# KiCad board FlightComputer.kicad_pcb (continued)
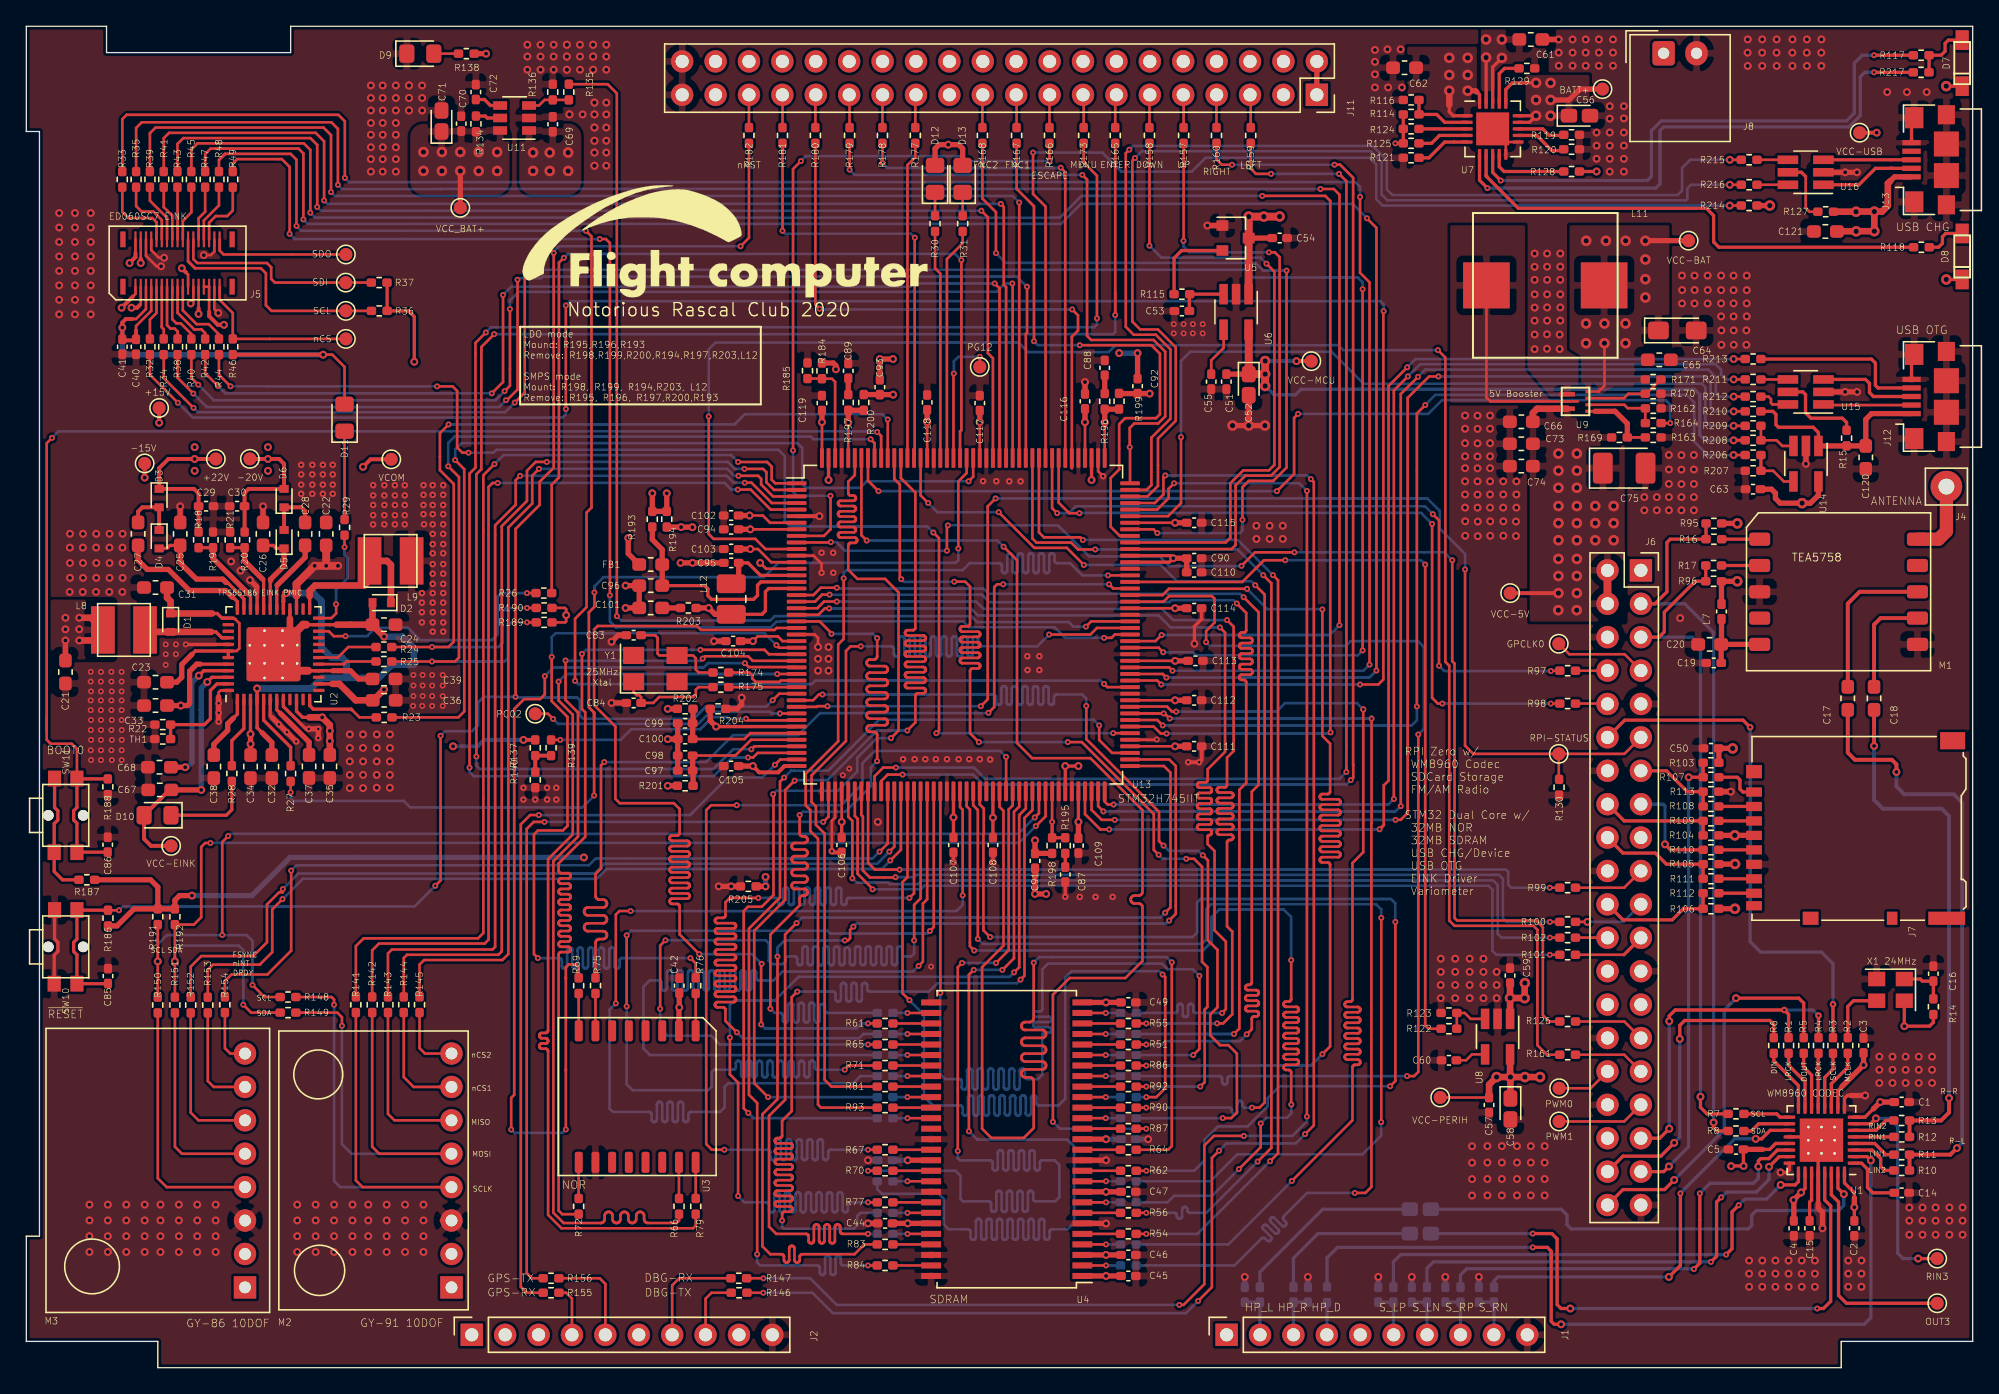
[diagram p0: board, top side]
## Routing (per net, layer and track width the routed paths; a pad name or vN(x,y) marks a point on that pad's centre or on a via; arc(x,y) is an arc through that point) (continued)
/Memory/NOR_DQ1: length 75
  Top w0.2: v1(39.42,52.58) 39.42,51.2 39.06,50.84 37.85,50.84 37.1,50.09 37.1,20.75 36.87,20.52 v1(36.87,18.11) ; v1(41.02,18.11) 41.02,22.67 ; 41.02,22.67 41.02,29.58 ; 41.02,22.67 41.02,22.55 ; U13.29 58.55,53.28 54.93,53.28 v1(54.64,53.57) ; R69.2 42,30.47 41.8,30.67 41.24,30.67 41.02,30.45 41.02,29.58 ; 41.02,29.58 41.02,29.72
  Bottom w0.2: v1(41.02,18.11) 40.76,17.85 37.13,17.85 v1(36.87,18.11) ; 42.25,53.25 42.15,53.25 ; 42.25,53.25 40.09,53.25 v1(39.42,52.58) ; 42.25,53.25 51.51,53.25 51.83,53.57 v1(54.64,53.57)
/Memory/NOR_DQ2: length 75
  Top w0.2: 57.01,54.25 U13.27 56.47,54.25 56.13,54.59 v1(51.26,54.59) ; v1(42.25,54.27) 42.25,50.09 42.5,49.84 42.5,40.37 40.48,38.34 40.48,37.81 40.48,37.76 40.49,37.72 40.52,37.68 40.55,37.65 40.59,37.62 40.63,37.61 40.67,37.61 41.19,37.61 41.24,37.6 41.28,37.59 41.32,37.56 41.35,37.53 41.37,37.49 41.39,37.45 41.39,37.41 41.39,37.36 41.37,37.32 41.35,37.28 41.32,37.25 41.28,37.22 41.24,37.21 41.19,37.2 40.67,37.2 40.63,37.2 40.59,37.19 40.55,37.16 40.52,37.13 40.49,37.09 40.48,37.05 40.48,37 40.48,36.96 40.49,36.92 40.52,36.88 40.55,36.85 40.59,36.82 40.63,36.81 40.67,36.81 41.19,36.81 41.24,36.8 41.28,36.79 41.32,36.76 41.35,36.73 41.37,36.69 41.39,36.65 41.39,36.61 41.39,36.56 41.37,36.52 41.35,36.48 41.32,36.45 41.28,36.42 41.24,36.41 41.19,36.41 40.67,36.41 40.63,36.4 40.59,36.39 40.55,36.36 40.52,36.33 40.49,36.29 40.48,36.25 40.48,36.2 40.48,36.16 40.49,36.12 40.52,36.08 40.55,36.05 40.59,36.02 40.63,36.01 40.67,36 41.19,36 41.24,36 41.28,35.99 41.32,35.96 41.35,35.93 41.37,35.89 41.39,35.85 41.39,35.81 41.39,35.76 41.37,35.72 41.35,35.68 41.32,35.65 41.28,35.62 41.24,35.61 41.19,35.61 40.67,35.61 40.63,35.6 40.59,35.59 40.55,35.56 40.52,35.53 40.49,35.49 40.48,35.45 40.48,35.41 40.48,35.36 40.49,35.32 40.52,35.28 40.55,35.25 40.59,35.22 40.63,35.21 40.67,35.2 41.19,35.2 41.24,35.2 41.28,35.19 41.32,35.16 41.35,35.13 41.37,35.09 41.39,35.05 41.39,35 41.39,34.96 41.37,34.92 41.35,34.88 41.32,34.85 41.28,34.82 41.24,34.81 41.19,34.81 40.67,34.81 40.63,34.8 40.59,34.79 40.55,34.76 40.52,34.73 40.49,34.69 40.48,34.65 40.48,34.61 40.48,34.56 40.49,34.52 40.52,34.48 40.55,34.45 40.59,34.42 40.63,34.41 40.67,34.41 41.19,34.41 41.24,34.4 41.28,34.39 41.32,34.36 41.35,34.33 41.37,34.29 41.39,34.25 41.39,34.2 41.39,34.16 41.37,34.12 41.35,34.08 41.32,34.05 41.28,34.02 41.24,34.01 41.19,34 40.67,34 40.63,34 40.59,33.99 40.55,33.96 40.52,33.93 40.49,33.89 40.48,33.85 40.48,33.81 40.48,33.76 40.49,33.72 40.52,33.68 40.55,33.65 40.59,33.62 40.63,33.61 40.67,33.61 41.19,33.61 41.24,33.6 41.28,33.59 41.32,33.56 41.35,33.53 41.37,33.49 41.39,33.45 41.39,33.41 41.39,33.36 41.37,33.32 41.35,33.28 41.32,33.25 41.28,33.22 41.24,33.21 41.19,33.2 40.67,33.2 40.63,33.2 40.59,33.19 40.55,33.16 40.52,33.13 40.49,33.09 40.48,33.05 40.48,33 40.48,32.96 40.49,32.92 40.52,32.88 40.55,32.85 40.59,32.82 40.63,32.81 40.67,32.81 41.19,32.81 41.24,32.8 41.28,32.79 41.32,32.76 41.35,32.73 41.37,32.69 41.39,32.65 41.39,32.61 41.39,32.56 41.37,32.52 41.35,32.48 41.32,32.45 41.28,32.42 41.24,32.41 41.19,32.41 40.67,32.41 40.63,32.4 40.59,32.39 40.55,32.36 40.52,32.33 40.49,32.29 40.48,32.25 40.48,32.2 40.48,32.16 40.49,32.12 40.52,32.08 40.55,32.05 40.59,32.02 40.63,32.01 40.67,32 41.19,32 41.24,32 41.28,31.99 41.32,31.96 41.35,31.93 41.37,31.89 41.39,31.85 41.39,31.81 41.39,31.76 41.37,31.72 41.35,31.68 41.32,31.65 41.28,31.62 41.24,31.61 41.19,31.61 40.67,31.61 40.63,31.6 40.59,31.59 40.55,31.56 40.52,31.53 40.49,31.49 40.48,31.45 40.48,31.41 40.48,11.95 40.75,11.67 R72.2
  Bottom w0.2: v1(42.25,54.27) 42.56,54.59 v1(51.26,54.59)
/Memory/NOR_DQ3: length 75
  Top w0.2: v1(38.9,31.15) 38.6,31.45 38.6,40.55 38.9,40.85 40.8,40.85 41.15,41.2 41.15,49.49 39.95,50.69 v1(39.95,54.05) ; U13.26 57.23,54.75 v1(57.04,54.94) ; v1(50.5,31.15) 50.9,30.75 R76.2
  Bottom w0.2: v1(50.5,31.15) 45.32,31.15 45.28,31.14 45.23,31.13 45.2,31.11 45.16,31.07 45.14,31.04 45.13,30.99 45.12,30.95 45.12,30.56 45.11,30.51 45.1,30.47 45.08,30.43 45.04,30.4 45.01,30.38 44.96,30.36 44.92,30.36 44.88,30.36 44.83,30.38 44.8,30.4 44.76,30.43 44.74,30.47 44.73,30.51 44.72,30.56 44.72,31.74 44.71,31.79 44.7,31.83 44.68,31.87 44.64,31.9 44.61,31.92 44.56,31.94 44.52,31.94 44.48,31.94 44.43,31.92 44.4,31.9 44.36,31.87 44.34,31.83 44.33,31.79 44.32,31.74 44.32,30.56 44.31,30.51 44.3,30.47 44.28,30.43 44.24,30.4 44.21,30.38 44.16,30.36 44.12,30.36 44.08,30.36 44.03,30.38 44,30.4 43.96,30.43 43.94,30.47 43.93,30.51 43.92,30.56 43.92,31.74 43.91,31.79 43.9,31.83 43.88,31.87 43.84,31.9 43.81,31.92 43.76,31.94 43.72,31.94 43.68,31.94 43.63,31.92 43.6,31.9 43.56,31.87 43.54,31.83 43.53,31.79 43.52,31.74 43.52,30.56 43.51,30.51 43.5,30.47 43.48,30.43 43.44,30.4 43.41,30.38 43.36,30.36 43.32,30.36 43.28,30.36 43.23,30.38 43.2,30.4 43.16,30.43 43.14,30.47 43.13,30.51 43.12,30.56 43.12,31.74 43.11,31.79 43.1,31.83 43.08,31.87 43.04,31.9 43.01,31.92 42.96,31.94 42.92,31.94 42.88,31.94 42.83,31.92 42.8,31.9 42.76,31.87 42.74,31.83 42.73,31.79 42.72,31.74 42.72,30.56 42.71,30.51 42.7,30.47 42.68,30.43 42.64,30.4 42.61,30.38 42.56,30.36 42.52,30.36 42.48,30.36 42.43,30.38 42.4,30.4 42.36,30.43 42.34,30.47 42.33,30.51 42.32,30.56 42.32,31.74 42.31,31.79 42.3,31.83 42.28,31.87 42.24,31.9 42.21,31.92 42.16,31.94 42.12,31.94 42.08,31.94 42.03,31.92 42,31.9 41.96,31.87 41.94,31.83 41.93,31.79 41.92,31.74 41.92,30.56 41.91,30.51 41.9,30.47 41.88,30.43 41.84,30.4 41.81,30.38 41.76,30.36 41.72,30.36 41.68,30.36 41.63,30.38 41.6,30.4 41.56,30.43 41.54,30.47 41.53,30.51 41.52,30.56 41.52,31.74 41.51,31.79 41.5,31.83 41.48,31.87 41.44,31.9 41.41,31.92 41.36,31.94 41.32,31.94 41.28,31.94 41.23,31.92 41.2,31.9 41.16,31.87 41.14,31.83 41.13,31.79 41.12,31.74 41.12,30.56 41.11,30.51 41.1,30.47 41.08,30.43 41.04,30.4 41.01,30.38 40.96,30.36 40.92,30.36 40.88,30.36 40.83,30.38 40.8,30.4 40.76,30.43 40.74,30.47 40.73,30.51 40.72,30.56 40.72,30.95 40.71,30.99 40.7,31.04 40.68,31.07 40.64,31.11 40.61,31.13 40.56,31.14 40.52,31.15 v1(38.9,31.15) ; v1(39.95,54.05) 39.95,55.55 40.25,55.85 56.13,55.85 v1(57.04,54.94)
/Memory/NOR_nCS: length 74.8
  Top w0.2: v1(73.16,49.8) 73.6,50.24 73.6,59.36 73.81,59.57 v1(74.28,59.57) ; v1(43.95,46.05) 43.7,45.8 43.7,37.95 43.28,37.53 43.28,35.89 43.29,35.83 43.31,35.76 43.35,35.71 43.39,35.66 43.45,35.62 43.52,35.6 43.58,35.59 43.85,35.59 43.92,35.59 43.98,35.56 44.04,35.53 44.08,35.48 44.12,35.42 44.14,35.36 44.15,35.29 44.14,35.23 44.12,35.16 44.08,35.11 44.04,35.06 43.98,35.02 43.92,35 43.85,34.99 42.72,34.99 42.65,34.99 42.59,34.96 42.53,34.93 42.48,34.88 42.44,34.82 42.42,34.76 42.42,34.69 42.42,34.63 42.44,34.56 42.48,34.51 42.53,34.46 42.59,34.42 42.65,34.4 42.72,34.39 43.85,34.39 43.92,34.39 43.98,34.36 44.04,34.33 44.08,34.28 44.12,34.22 44.14,34.16 44.15,34.09 44.14,34.03 44.12,33.96 44.08,33.91 44.04,33.86 43.98,33.82 43.92,33.8 43.85,33.79 42.72,33.79 42.65,33.79 42.59,33.76 42.53,33.73 42.48,33.68 42.44,33.62 42.42,33.56 42.42,33.49 42.42,33.43 42.44,33.36 42.48,33.31 42.53,33.26 42.59,33.22 42.65,33.2 42.72,33.19 43.85,33.19 43.92,33.19 43.98,33.16 44.04,33.13 44.08,33.08 44.12,33.02 44.14,32.96 44.15,32.89 44.14,32.83 44.12,32.76 44.08,32.71 44.04,32.66 43.98,32.62 43.92,32.6 43.85,32.59 43.58,32.59 43.52,32.59 43.45,32.56 43.39,32.53 43.35,32.48 43.31,32.42 43.29,32.36 43.28,32.29 R75.1 ; U13.116 82.65,59.25 v1(82.33,59.57)
  Bottom w0.2: v1(82.33,59.57) v1(74.28,59.57) ; v1(43.95,46.05) 51.7,46.05 53.75,48.1 58.69,48.1 60.37,49.77 73.14,49.77 v1(73.16,49.8)
/Power/SW: length 14.9
  Top w0.2: L11.2 111.03,73.78 111.33,73.47 U9.2
/Raspberry/SDIO_CLK: length 7.9
  Top w0.25: v2(124.6,39.8) 125.02,39.38 R110.2
  Bottom w0.25: v2(124.6,39.8) 124.6,42.7 124.45,42.85 J6.15
/Raspberry/SDIO_CMD: length 8.9
  Top w0.25: J6.16 121.5,41.58 R109.2 R104.2
/Raspberry/SDIO_DAT0: length 9.2
  Top w0.25: J6.18 121.41,39.13 123.87,39.13 124.71,38.29 R105.2 R111.2
/Raspberry/SDIO_DAT1: length 9.3
  Top w0.25: J6.22 121.41,34.05 125.15,34.05 126,34.9 R106.2 R112.2
/Raspberry/SDIO_DAT2: length 34.7
  Top w0.25: v2(126.4,44.9) R107.2 R103.2 ; v2(124.9,15.3) 124.51,14.91 J6.37
  Bottom w0.25: v2(124.9,15.3) 126.4,16.8 v2(126.4,44.9)
/Raspberry/SDIO_DAT3: length 6.5
  Top w0.25: R108.2 R113.1 126.3,43.8 124.71,45.39 J6.13
/Vario/DEBUG_RX: length 119.3
  Top w0.2: v1(87.67,4.78) 88,4.78 89.58,6.35 89.58,16.9 90.3,17.62 v1(92.58,17.62) ; v1(87.28,67.25) 86.86,66.84 86.86,66.12 85.99,65.25 U13.128 84.9,65.25 ; R147.2 v1(56.05,6.8) ; v1(97.38,19.1) v1(97.38,66.67)
  Bottom w0.2: v1(97.38,19.1) 97.38,18.72 96.28,17.62 v1(92.58,17.62) ; v1(87.28,67.25) 96.8,67.25 v1(97.38,66.67) ; v1(56.05,6.8) 59.6,6.8 61.62,4.78 v1(87.67,4.78)
/Vario/DEBUG_TX: length 120.2
  Top w0.2: v1(89.1,5.08) 90.15,6.12 90.15,15.95 v1(90.7,16.5) ; U13.129 85.81,65.75 86.46,66.4 86.46,67.7 v1(86.61,67.85) ; v1(97.67,67.58) 97.9,67.35 97.9,18.43 v1(97.24,17.76) ; R146.2 v1(56.04,5.7)
  Bottom w0.2: v1(97.67,67.58) 97.4,67.85 v1(86.61,67.85) ; v1(89.1,5.08) 88.17,4.15 61.33,4.15 59.77,5.7 v1(56.04,5.7) ; v1(90.7,16.5) 91.25,17.05 96.53,17.05 v1(97.24,17.76)
/Vario/GPS_RX: length 60.3
  Top w0.2: R155.2 38.05,5.7 37.6,6.15 37.6,41.32 38.31,42.02 v1(38.97,42.02) ; v1(56.92,45.84) 57.33,46.25 U13.43
  Bottom w0.2: 50.7,42.25 53.33,44.88 55.96,44.88 v1(56.92,45.84) ; 50.7,42.25 50.48,42.02 v1(38.97,42.02) ; 50.7,42.25 50.51,42.06
/Vario/GPS_TX: length 60.4
  Top w0.2: R156.2 38.45,6.8 38.05,7.2 38.05,40.97 38.58,41.5 v1(39.4,41.5) ; v1(60.6,41.5) 61,41.9 U13.46
  Bottom w0.2: v1(60.6,41.5) v1(39.4,41.5)
/VARIO_RX: length 54.4
  Top w0.2: v1(107.42,53.38) 107.42,64.43 v1(106.95,64.9) ; v1(115.92,52.98) 115.95,53 R97.1 ; U13.141 78,65.36 v1(78.38,64.98)
  Bottom w0.2: v1(78.38,64.98) 79.27,64.98 79.79,65.5 106.35,65.5 v1(106.95,64.9) ; 107.8,53 v1(107.42,53.38) ; v1(115.92,52.98) 107.83,52.98
/VARIO_TX: length 55.6
  Top w0.2: v1(107.67,50.5) 107.33,50.5 106.89,50.94 v1(106.89,64.17) ; R98.1 v1(115.92,50.5) ; U13.140 78.5,65.78 79.3,64.97 v1(80.08,64.97)
  Bottom w0.2: v1(80.08,64.97) 80.11,65 106.06,65 v1(106.89,64.17) ; v1(115.92,50.5) v1(107.67,50.5)
G_KEY_DOWN: length 2.5
  Top w0.2: R158.1 85.4,96.76 J11.11
G_KEY_ENTER: length 2.5
  Top w0.2: R165.1 82.8,96.7 J11.13
G_KEY_ESCAPE: length 2.5
  Top w0.2: J11.17 77.8,96.78 R166.1
G_KEY_FUNC1: length 2.5
  Top w0.2: J11.19 75.3,96.76 R167.1
G_KEY_FUNC2: length 2.5
  Top w0.2: R168.1 72.7,96.76 J11.21
G_KEY_LEFT: length 2.5
  Top w0.2: R159.1 93.1,96.74 J11.5
G_KEY_MENU: length 2.5
  Top w0.2: R173.1 80.4,96.74 J11.15
G_KEY_RIGHT: length 2.5
  Top w0.2: R160.1 90.5,96.78 J11.7
G_KEY_UP: length 2.5
  Top w0.2: J11.9 88,96.76 R157.1
Net-(C6-Pad1): length 3.6
  Top w0.25: 93.8,2.51 J1.2
  Bottom w0.25: J1.2 93.8,2.51 L1.2 93.8,4.98 C6.1
Net-(C7-Pad1): length 3.6
  Bottom w0.25: C7.1 96.36,4.98 L2.2 J1.3
Net-(C8-Pad1): length 36.4
  Top w0.25: v2(138.2,13.2) 137.75,13.65 U1.31
  Bottom w0.25: v2(138.2,13.2) 138.2,12.35 137.8,11.95 131.55,11.95 131.2,11.6 131.2,10.83 130.93,10.55 117.47,10.55 117.15,10.88 117.15,11.62 116.72,12.05 C8.1
Net-(C8-Pad2): length 14.9
  Bottom w0.2: 93.8,6.03 93.8,6.37
  Bottom w0.25: L1.1 93.8,7.27 98.58,12.05 C8.2
Net-(C9-Pad1): length 45.9
  Top w0.25: v1(136.18,4.5) 136.65,4.5 137.2,5.05 137.2,12.3 136.75,12.75 U1.29 ; v1(114.55,10.2) 116,10.2 116.4,9.8 116.4,4.8 116.7,4.5 v2(117.4,4.5)
  Bottom w0.25: C9.1 v1(114.55,10.2) ; v1(136.18,4.5) v2(117.4,4.5)
Net-(C9-Pad2): length 12.9
  Bottom w0.25: L2.1 96.35,8.33 98.22,10.2 105.72,10.2 C9.2
Net-(C10-Pad1): length 3.7
  Bottom w0.25: 103.97,5.05 103.95,5.06 ; J1.6 103.95,2.52 L3.2 102.81,4.98 C10.1
Net-(C11-Pad1): length 3.6
  Bottom w0.25: 106.51,5.06 106.5,5.06 ; C11.1 106.5,4.98 L4.2 106.5,2.51 J1.7
Net-(C12-Pad1): length 3.6
  Bottom w0.25: C12.1 109.05,4.98 L5.2 J1.8
Net-(C13-Pad1): length 3.6
  Bottom w0.25: C13.1 111.59,4.98 L6.2 111.6,2.51 J1.9
Net-(C14-Pad1): length 4.8
  Top w0.25: U1.1 139.55,15.55 140,15.1 140,13.7 140.4,13.3 C14.1
Net-(C15-Pad2): length 3.8
  Top w0.25: U1.27 135.75,12.75 135.6,12.6 C15.2
Net-(C16-Pad2): length 3.6
  Top w0.25: R14.1 C16.2 144.18,29.39 144.01,29.56 X1.1
Net-(C17-Pad1): length 12
  Top w0.3: M1.8 139.4,59 138.5,58.1 C17.1
Net-(C18-Pad1): length 8.2
  Top w0.3: C18.1 140.5,56.5 141,57 M1.7
Net-(C19-Pad1): length 6.3
  Top w0.4: 128.88,54.99 C20.1 ; C20.1 128.88,53.59 C19.1 ; C20.1 M1.5 ; C20.1 128.9,55.02 L7.2
Net-(C23-Pad1): length 17.2
  Top w0.2: U2.42 16,54.5 16.2,54.7 16.2,56.61 15.88,56.92 15.87,56.92 15.8,57 U2.37
  Top w0.25: U2.37 14.87,57 14.52,57.35 14.12,57.35 ; U2.43 U2.42 12.85,54.5 12.6,54.24
  Top w0.4: 12.6,54.24 11.82,53.47 11.82,52.5 11.44,52.12 C23.1
  Top w0.5: C31.1 10.7,58.55 10.97,58.27 D1.1 14.12,57.35
Net-(C25-Pad1): length 10
  Top w0.25: 15.04,59.96 16.55,58.45 U2.35 ; 12.94,59.96 12.9,60 ; C25.1 10.93,62.52 10.7,62.3 D4.2
  Top w0.4: C25.1 11.7,61.2 12.9,60 ; 12.94,59.96 14.93,59.96 15.19,59.7
Net-(C26-Pad2): length 6.8
  Top w0.25: C26.2 18.77,62.52 19,62.3 D5.1 ; U2.31 18.55,59.95
  Top w0.4: 18.57,59.84 18.57,59.95 19.6,60.97 D5.1
Net-(C27-Pad1): length 14
  Top w0.25: U2.36 16.05,58.25 15.2,59.1 12.4,59.1
  Top w0.4: 15.68,58.58 15.16,59.1 12.4,59.1 10.8,60.7 9.2,60.7 8.5,61.4 C27.1
Net-(C27-Pad2): length 4.3
  Top w0.3: D4.1 D3.2 8.82,65.42 8.5,65.1 C27.2
Net-(C28-Pad1): length 4.3
  Top w0.3: D5.2 D6.1 20.93,65.42 21.2,65.15 C28.1
Net-(C28-Pad2): length 5.7
  Top w0.25: U2.30 19.05,59.5
  Top w0.4: 19.07,59.5 21.2,61.62 C28.2
Net-(C37-Pad2): length 5.2
  Top w0.25: 19.31,49.76 19.05,50.03 U2.7
  Top w0.4: C37.2 21.5,47.58 19.31,49.76
Net-(C38-Pad2): length 5
  Top w0.25: U2.1 16.05,49.7 15.74,49.39
  Top w0.4: C38.2 14.26,47.41 15.31,48.46 15.31,48.96 15.74,49.39
Net-(C53-Pad1): length 3.9
  Top w0.25: C53.1 88.44,81.6 R115.1 U6.3
Net-(C55-Pad1): length 3.9
  Top w0.2: C55.1 90.1,76.6 91.04,77.54 U6.4
  Top w0.25: 90.97,79 U6.4
Net-(C60-Pad1): length 2.4
  Top w0.2: U8.4 109.92,23.83 109.47,23.38 C60.1
Net-(C72-Pad1): length 2
  Top w0.25: U11.4 35.29,95.98 34.84,96.43 C72.1
Net-(C83-Pad1): length 7.9
  Top w0.2: R174.1 51.13,52.86 50.9,53.09 50.9,53.95 50.69,54.16 Y1.3 48.14,54.16 48,54.3 48,55.51 47.81,55.7 C83.1
Net-(C84-Pad1): length 8.1
  Top w0.2: R175.1 51.1,51.75 50.91,51.56 50.91,51.2 50.71,51 48.12,51 47.67,50.55 C84.1 46.75,50.99 46.6,51.14 46.41,51.14 46.18,51.37 Y1.1
Net-(C87-Pad1): length 1
  Top w0.25: R195.1 C87.1
Net-(C88-Pad1): length 1.4
  Top w0.4: R196.1 C88.1
Net-(C89-Pad1): length 1.2
  Top w0.4: R197.1 C89.1
Net-(C101-Pad1): length 1.4
  Top w0.4: C101.1 48.36,57.77 R203.1
Net-(C120-Pad1): length 15.8
  Top w0.25: U14.1 136.27,71.11 135.87,71.51 133.24,71.51 133.04,71.71 133.04,72.49 132.81,72.72 R210.2
  Top w0.4: J12.1 140.31,72.55 139.87,72.11 C120.1 139.87,70.09 R15.1 138.41,70.09 U14.1
Net-(D1-Pad2): length 6.6
  Top w0.25: 14.05,55.95 14.42,55.95 14.87,55.5 U2.40
  Top w0.5: 14.05,55.95 D1.2 9.18,55.95 L8.2
Net-(D2-Pad1): length 12.4
  Top w0.25: U2.25 21.55,58.65
  Top w0.5: 21.55,58.65 21.55,59.07 21.95,59.48 25.7,59.48 26.1,59.88 L9.1 27.43,61.35 27.73,61.05 D2.1
Net-(D7-Pad1): length 4.6
  Top w0.25: D7.1 146.15,100.95 145.9,100.7 145.9,100.1 145.6,99.8 R117.1 144.68,98.5 R217.1
Net-(D8-Pad1): length 3.2
  Top w0.25: R118.1 145.4,85.2 145.7,85.5 145.7,86 145.95,86.25 D8.1
Net-(D9-Pad2): length 1.9
  Top w0.2: D9.2 R138.2
Net-(D10-Pad1): length 7
  Top w0.25: D10.1 15.21,42.01 15.63,42.43 R28.2
Net-(D11-Pad1): length 6.7
  Top w0.2: D11.1 R29.2
Net-(D12-Pad1): length 1.8
  Top w0.2: R30.2 D12.1
Net-(D13-Pad1): length 1.8
  Top w0.2: R31.2 D13.1
Net-(J2-Pad4): length 4.1
  Top w0.2: 41.4,2.59 J2.4 41.49,5.26 41.05,5.7 R155.1
Net-(J2-Pad5): length 7.7
  Top w0.2: 43.94,2.59 J2.5 44.03,6.37 43.6,6.8 R156.1
Net-(J2-Pad7): length 8.5
  Top w0.2: R147.1 49.65,6.8 49.11,6.26 J2.7
Net-(J2-Pad8): length 4.9
  Top w0.2: R146.1 52.1,5.7 51.65,5.25 J2.8
Net-(J4-Pad1): length 5.8
  Top w1: M1.10 145.4,63 146,63.6 J4.1
Net-(J5-Pad9): length 4.2
  Top w0.2: J5.9 9.9,80.2 9.4,79.7 R32.2
Net-(J5-Pad10): length 6.1
  Top w0.2: J5.10 9.9,87.1 9.58,87.42 7.76,87.42 7.3,87.88 R33.1
Net-(J5-Pad11): length 4
  Top w0.2: R34.2 10.45,78.96 10.3,79.11 J5.11
Net-(J5-Pad12): length 5.3
  Top w0.2: J5.12 10.3,87.27 9.66,87.91 8.77,87.91 8.35,88.33 R35.1
Net-(J5-Pad13): length 4.5
  Top w0.2: J5.13 10.7,79.28 10.96,79.01 11.29,79.01 11.5,78.8 R38.2
Net-(J5-Pad14): length 4.5
  Top w0.2: R39.1 9.4,88.73 10.7,87.43 J5.14
Net-(J5-Pad15): length 4.8
  Top w0.2: J5.15 11.1,79.72 11.41,79.41 11.74,79.41 12.55,78.6 R40.2
Net-(J5-Pad16): length 4.2
  Top w0.2: R41.1 10.45,88.25 11.1,87.6 J5.16
Net-(J5-Pad17): length 5.2
  Top w0.2: R42.2 13.6,78.67 13.32,78.95 12.77,78.95 11.5,80.22 J5.17
Net-(J5-Pad18): length 4
  Top w0.2: R43.1 11.5,89.75 J5.18 ; 11.5,89.86 11.49,89.87
Net-(J5-Pad19): length 5.7
  Top w0.2: J5.19 11.9,80.4 12.95,79.35 13.87,79.35 14.65,78.58 R44.2
Net-(J5-Pad20): length 4.2
  Top w0.2: R45.1 12.55,87.85 11.9,87.2 J5.20
Net-(J5-Pad22): length 19.5
  Top w0.2: J5.22 12.3,84.13 ; 12.3,84.13 12.42,84.02 ; 12.3,84.13 12.83,83.6 ; 12.33,84.1 12.42,84.02 ; 12.42,84.02 12.83,83.6 ; 12.83,83.6 17.84,83.6 18.22,83.22 18.22,80.79 18.65,80.36 TP3.1 R36.2
Net-(J5-Pad24): length 16.3
  Top w0.2: J5.24 12.7,84.3 13,84 18.3,84 18.62,83.68 18.62,82.79 18.9,82.51 TP4.1 R37.2
Net-(J5-Pad26): length 4.2
  Top w0.2: J5.26 13.1,87.4 13.6,87.9 R47.1
Net-(J5-Pad28): length 4.4
  Top w0.2: J5.28 13.5,87.23 14.65,88.38 R48.1
Net-(J5-Pad30): length 5.2
  Top w0.2: J5.30 13.9,87.07 14.4,87.57 15.28,87.57 15.7,87.99 R49.1
Net-(J5-Pad33): length 13
  Top w0.2: J5.33 14.7,81.2 15.7,80.2 R46.2 18.5,78.23 ; 18.5,78.23 TP5.1 ; 18.5,78.23 18.5,78.22
Net-(J5-Pad34): length 10.6
  Top w0.2: TP6.1 15,84.65 14.7,84.95 J5.34
Net-(J6-Pad7): length 7.1
  Top w0.2: TP7.1 117.33,54.25 121.53,54.25 J6.7
Net-(J6-Pad8): length 2.4
  Top w0.2: J6.8 120.22,53 R97.2
Net-(J6-Pad10): length 2.4
  Top w0.2: R98.2 120.2,50.5 J6.10
Net-(J6-Pad19): length 5.5
  Top w0.2: R99.1 121.5,36.5 J6.19
Net-(J6-Pad21): length 5.5
  Top w0.2: R100.1 v2(118.7,33.9)
  Bottom w0.2: v2(118.7,33.9) 121.44,33.9 J6.21
Net-(J6-Pad23): length 5.5
  Top w0.2: R101.1 121.48,31.4
  Top w0.25: J6.23 121.48,31.4